# Allegro board FMDEMOD-before-back-annote.brd (continued)
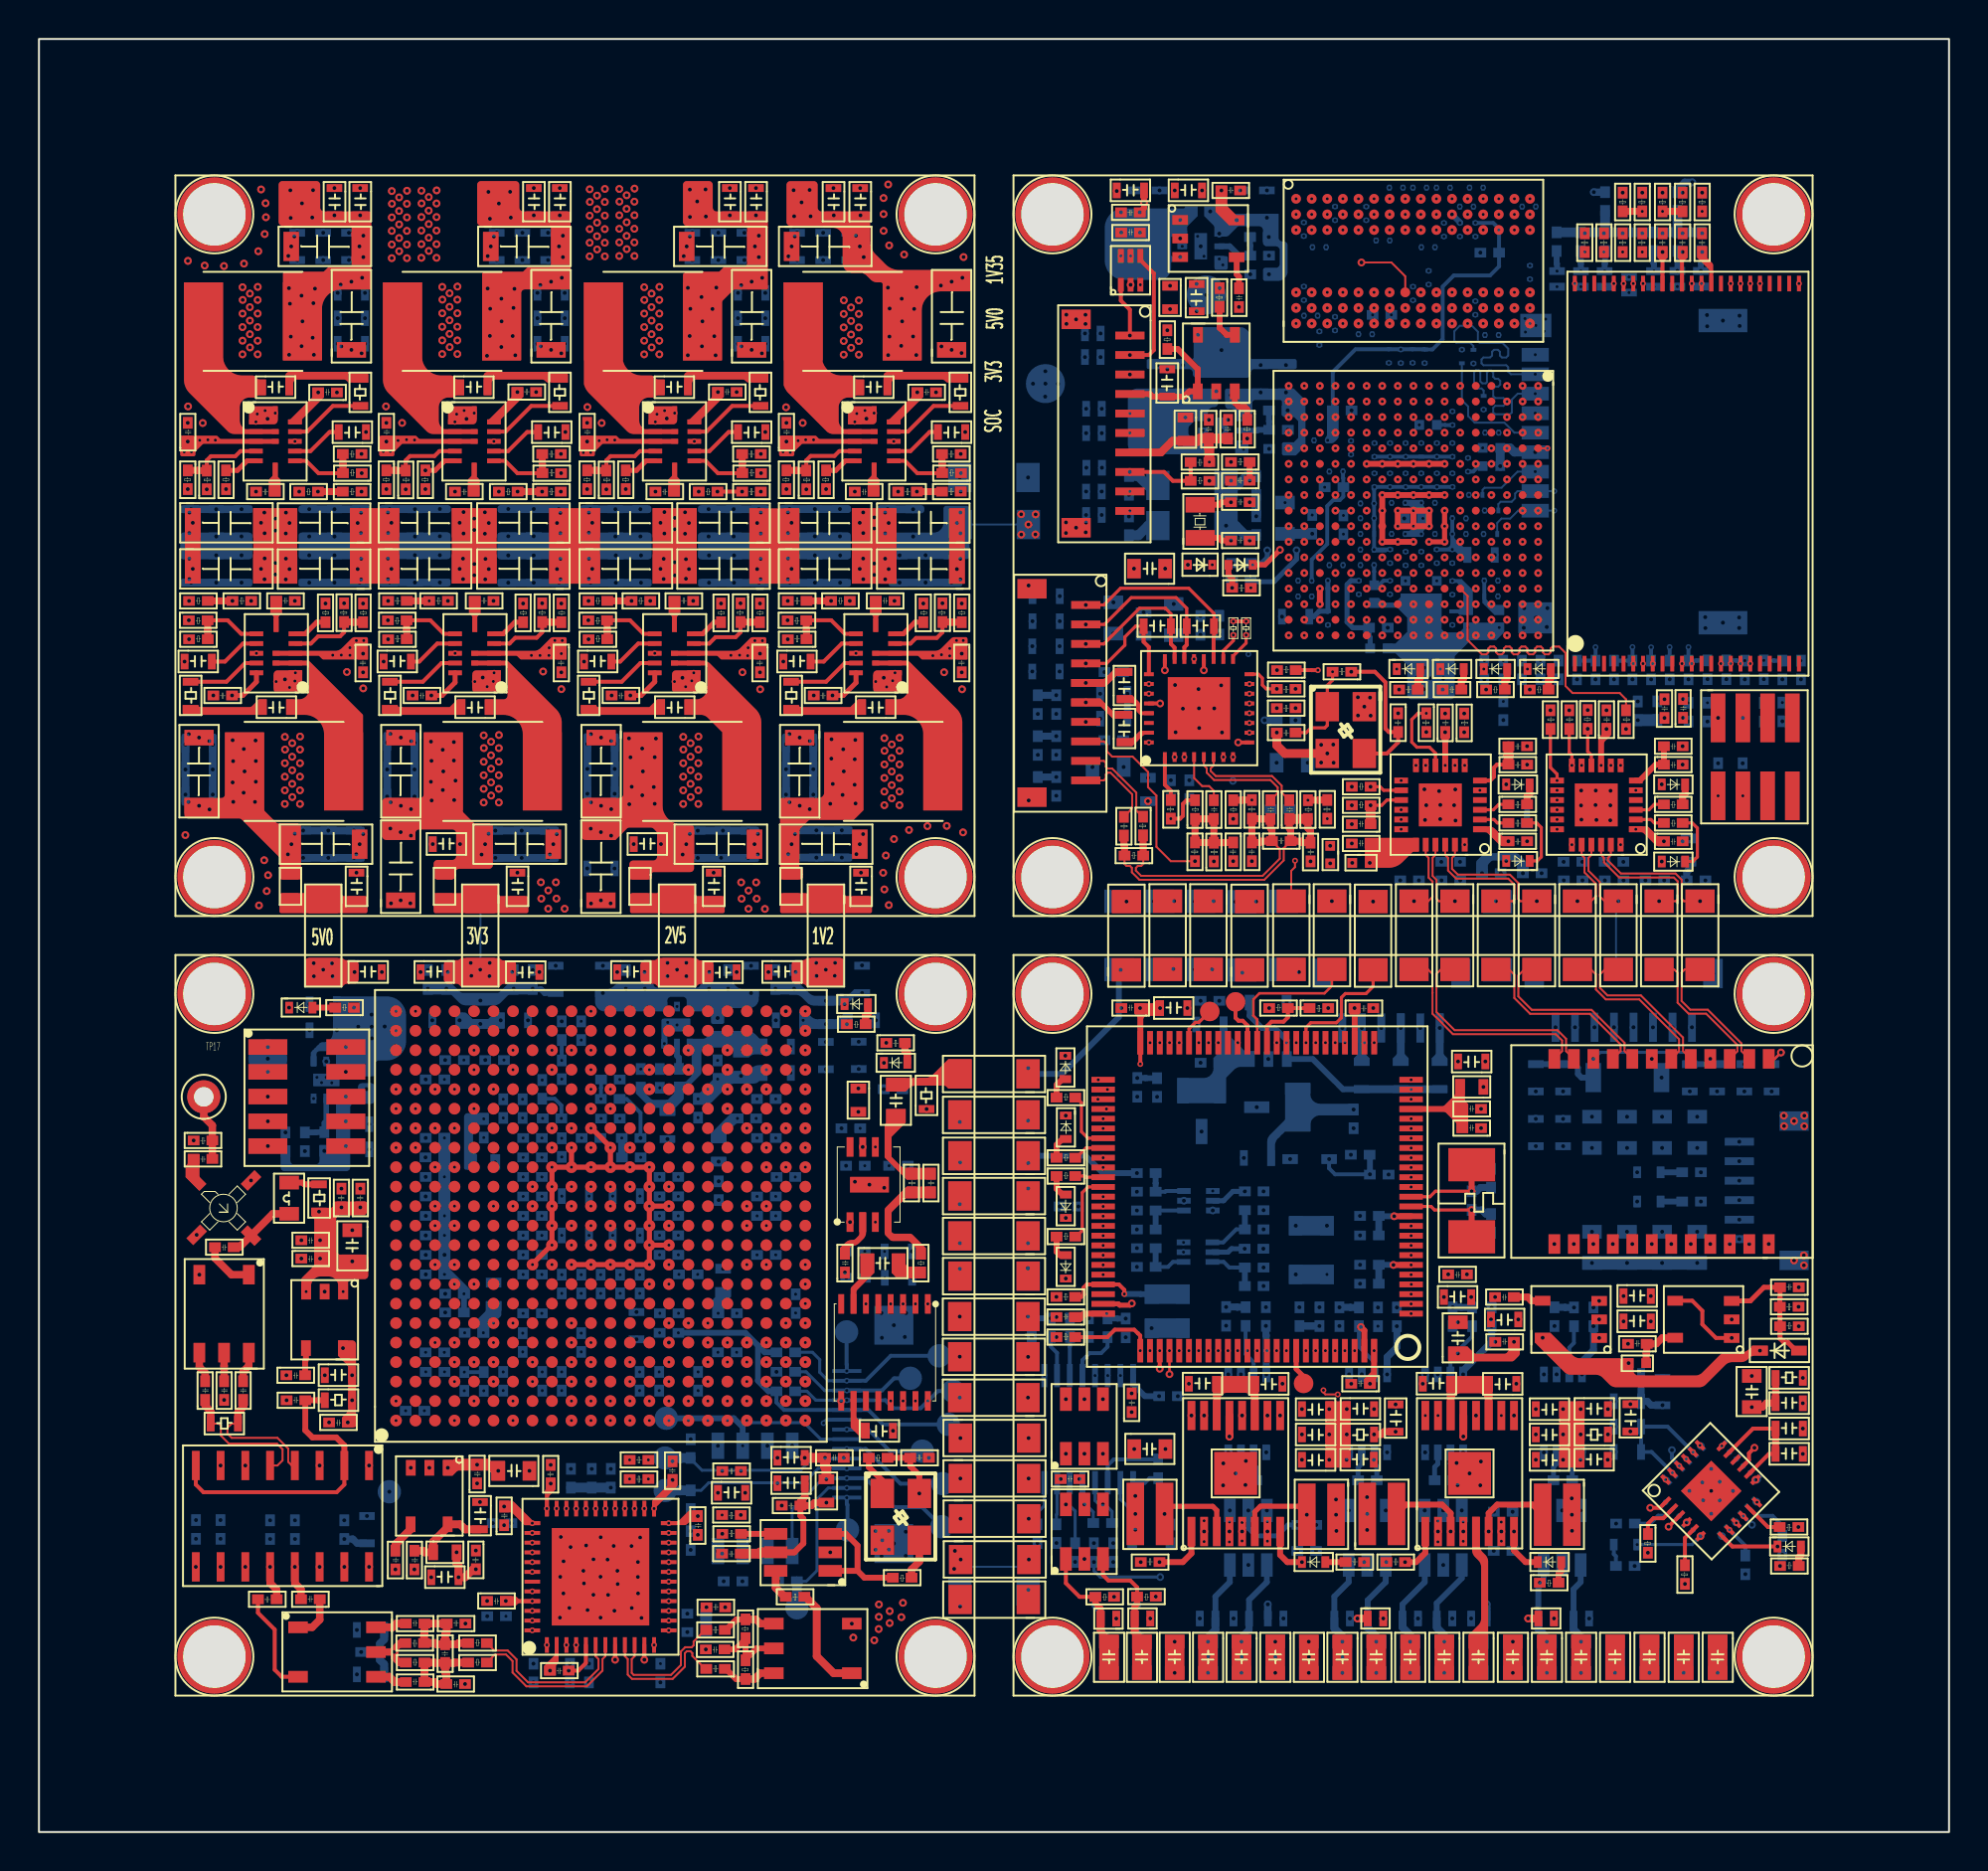
[diagram p0: board, top side]
## Nets (continued)
VDD_ARM_CAP: C52.1 C53.1 C57.1 C58.1 C5652.1 U19.G9 U19.G10 U19.G11 U19.H11
VDD_COIN_3V: D20.2 R50.1 UNK3VBATTERY1.1
VDD_HIGH_CAP: C71.1 C72.1 C79.1 C5655.1 U19.N6 U19.R14 U19.R15
VDD_HIGH_IN: C64.1 C65.1 L33.2 U19.N13
VDD_SNVS_3V3: C311.2 C312.2 D19.2 U46.5(\OUT\)
VDD_SNVS_IN: C67.1 D19.1(\CATHODE\) D20.1(\CATHODE\) R50.2 U19.P12
VDD_SOC_CAP: C60.1 C61.1 C62.1 C63.1 C502.1 C503.1 C504.1 C505.1 C5646.1 C5647.1 C5648.1 U19.G8 U19.H8 U19.J8 U19.J11 U19.K8 U19.K11 U19.L8 U19.L9 U19.L10 U19.L11
VDD_SOC_IN: C51.1 C54.1 C55.1 C5582.2 C5583.2 C5644.1 C5645.1 R4515.1 R4516.1 R4517.2 U19.H9 U19.H10 U19.J9 U19.J10 U19.K9 U19.K10 U633.1
VDD_SOC_IN_IN: C5580.2 C5581.2 R4515.2 TP23.1(\TP\) U633.4 U633.6
VDD_SOC_IN_PWR: C5291.1 C5301.2 C5311.2 C5321.2 C5331.2 C5567.2 C5568.2 C5569.2 C5570.2 C5571.2 C5572.2 L431.2 R4361.2
VDDA_ADC_3P3: C150.1 C152.1 L34.2 U19.L13 U19.M13
232_TXD: R312.2 R321.1 R395.2
A0: U19.L5 U20.N3
A1: U19.H2 U20.P7
A2: U19.K1 U20.P3
A3: U19.M2 U20.N2
A4: U19.K4 U20.P8
A5: U19.L1 U20.P2
A6: U19.G2 U20.R8
A7: U19.H4 U20.R2
A8: U19.J4 U20.T8
A9: U19.L2 U20.R3
A10: U19.M4 U20.L7
A11: U19.K3 U20.R7
A12: U19.L4 U20.N7
A13: U19.H3 U20.T3
A14: U19.G1 U20.T7
A15: U19.K5 U20.M7
A_DEMP: U42.13 U56.AA3
A_FMT: U42.15 U56.AA4
A_MUTE: U42.14 U56.AB3
AD0: U36.18 U56.Y2
AD1: U36.19 U56.Y1
AD2: U36.20 U56.W2
AD3: U36.21 U56.W1
AD4: U36.22 U56.V2
AD5: U36.26 U56.V1
AD6: U36.27 U56.U2
AD7: U36.28 U56.U1
AD8: U36.32 U56.R2
AD9: U36.33 U56.R1
AD10: U36.34 U56.P2
AD11: U36.35 U56.P1
AD12: U36.39 U56.N2
AD13: U36.40 U56.N1
AD14: U36.41 U56.M2
AD15: U36.42 U56.M1
AD_DITH: U36.17 U56.AA1
AD_PGA: U36.47 U56.R5
AD_RAND: U36.46 U56.R6
ADC_3V3: C203.2 C229.2 C230.2 C5606.2 C5607.2 C5608.2 C5609.2 C5610.2 C5611.2 L9.2 U36.1 U36.3 U36.4(\VDD#4\) U36.12 U36.13 U36.14
AIN+: R239.1 U36.6
AIN-: R240.1 U36.7
ARM_ONOFF: R131.2 R397.1 U19.R8
ASDO: J14.7 TP33.1(\TP\) U35.5 U56.D1
AUD_INT: U19.P9 U24.15
AUDIO_5V: C269.2 C270.2 C292.1 C298.2 C409.2 C410.1 C5640.2 L13.2 U42.6 U43.3 U43.6
AUDIO_OUT: R391.1 R392.1
BA0: U19.M1 U20.M2
BA1: U19.H1 U20.N8
BA2: U19.K2 U20.M3
BOOT0: R404.2 R405.2 U3.94
BOOT1: R406.1 R407.1 U3.37
BOOT_MODE0: R136.2 R409.2 U19.T10
BOOT_MODE1: R135.2 R410.2 U19.U10
CAS: U19.J2 U20.K3
CK0N: R70.1 U19.P2 U20.K7
CK0P: R70.2 U19.P1 U20.J7
CKE0: R52.2 U19.M3 U20.K9
CKE1: R51.2 U19.J3 U20.J9
CLK2FPGA: R251.2 U56.G1
CLK_3V3: C214.2 C215.2 C290.2 C291.2 L14.2 R254.2 U39.5(\VCC\) Y5.4(\VCC\)
CLK_AD+: R242.2 U56.T2
CLK_AD-: R241.2 U56.T1
CLKO+: R242.1 U36.30
CLKO-: R241.1 U36.29
CONF_DONE: J14.13 R231.1 TP39.1(\TP\) U56.M18
CPU_RST_FPGA: R208.1 U19.N17
CPU_RST_MCU: R213.2 U19.M15
CPU_UART1_RXD: U19.K16 U31.6
CPU_UART1_TXD: U19.K14 U31.3
CPU_UART2_RXD: R194.1 R217.2 R336.1
CPU_UART2_TXD: R192.1 R216.2 R335.1
CPU_UART3_RXD: R215.2 U19.H16
CPU_UART3_TXD: R214.2 U19.H17
CPU_UART4_RXD: R221.1 U19.G16
CPU_UART4_RXD_X: R197.1 R221.2 R340.1
CPU_UART4_TXD: R220.1 U19.G17
CPU_UART4_TXD_X: R198.1 R220.2 R339.1
CS0: U19.N2 U20.L2
CS1: U19.H5 U20.L1
D0: U19.T4 U20.E3
D1: U19.U6 U20.F7
D2: U19.T6 U20.F2
D3: U19.U7 U20.F8
D4: U19.U8 U20.H3
D5: U19.T8 U20.H8
D6: U19.T5 U20.G2
D7: U19.U4 U20.H7
D8: U19.U2 U20.D7
D9: U19.U3 U20.C3
D10: U19.U5 U20.C8
D11: U19.R4 U20.C2
D12: U19.P5 U20.A7
D13: U19.P3 U20.A2
D14: U19.R2 U20.B8
D15: U19.R1 U20.A3
DATA0: J14.9 R384.1 TP35.1(\TP\) U56.K1
DCDC_3V3: C116.2 C117.2 C118.2 C119.2 C120.2 C123.1 C153.1 C154.1 C174.1 J9.4 L5.1 L24.1 L25.1 L26.1 L28.1 L30.1 L31.1 L32.1 L33.1 L34.1 L35.1 R53.1 R54.1 R55.1 R56.1 R82.1 R83.1 R84.1 R85.1 R128.1 R129.1 R130.1 R131.1 R133.2 R135.1 R136.1 R140.1 R141.1 R150.1 R151.1 R152.1 R155.1 R158.1 R159.1 TP22.1(\TP\) U23.12 U23.34 U23.37 U23.39 U31.5(\VCC\)
DCDC_3V3_PWR: C5191.1 C5201.2 C5211.2 C5221.2 C5231.2 C5561.2 C5562.2 C5563.2 C5564.2 C5565.2 C5566.2 L421.2 R4271.2
DCDC_5V: C132.2 C158.1 C315.2 C316.2 L6.1 L17.1 L40.1 R157.1 R398.1 TP21.1(\TP\) U29.5 U46.1 U46.3
DCDC_5V_PWR: C3101.2 C3131.2 C3141.2 C3231.1 C3861.2 C5555.2 C5556.2 C5557.2 C5558.2 C5559.2 C5560.2 L181.2 R2711.2
DCLK: J14.8 TP34.1(\TP\) U35.6 U56.K2
DQM0: U19.T7 U20.E7
DQM1: U19.T3 U20.D3
DRAM_1V35: C73.1 C74.1 C75.1 C76.1 C77.1 C78.1 C94.1 C97.1 C98.1 C99.1 C100.1 C101.1 C102.1 C103.1 C104.1 C111.1 C112.1 C113.1 C114.1 C500.1 C501.1 C5576.2 C5577.2 C5649.1 C5650.1 C5651.1 R105.2 R4511.2 R4513.1 R4514.1 U19.G6 U19.H6 U19.J6 U19.K6 U19.L6 U19.M6 U20.A1 U20.A8 U20.B2 U20.C1 U20.C9 U20.D2 U20.D9 U20.E9 U20.F1 U20.G7 U20.H2 U20.H9 U20.K2 U20.K8 U20.N1 U20.N9 U20.R1 U20.R9 U632.1
DRAM_1V35_IN: C5578.2 C5579.2 R4514.2 TP24.1(\TP\) U632.4 U632.6
DRAM_1V35_PWR: C5391.1 C5401.2 C5411.2 C5421.2 C5431.2 C5573.2 C5574.2 C5575.2 L441.2 R4451.2
DRAM_VREF: C80.1 C94.2 C95.1 C96.1 C5656.1 C5657.1 R105.1 R114.2 U19.P4 U20.H1 U20.M8
E1R+: R327.2 T1.2
E1R-: R328.2 T1.3
E1T+: R329.2 T1.5
E1T-: R330.2 T1.6
E2R+: R331.2 T1.8
E2R-: R332.2 T1.9
E2T+: R333.2 T1.11
E2T-: R334.2 T1.12
ECSPI3_CS0: R216.1 U19.J17
ECSPI3_MISO: R219.1 U19.H14
ECSPI3_MOSI: R218.1 U19.J15
ECSPI3_SCLK: R217.1 U19.J16
ENC1_A: C454.1 C454.2 D4.2 U6.3
ENC1_A_BUF: U3.24 U6.4
ENC1_B: C453.1 C453.2 D3.2 U6.1
ENC1_B_BUF: U3.23 U6.6
ENC2_A: C475.1 C475.2 D9.2 U9.3
ENC2_A_BUF: U3.90 U9.4
ENC2_B: C476.1 C476.2 D8.2 U9.1
ENC2_B_BUF: U3.91 U9.6
ENC3_A: C469.1 C469.2 D12.2 U12.3
ENC3_A_BUF: U3.42 U12.4
ENC3_B: C470.1 C470.2 D11.2 U12.1
ENC3_B_BUF: U3.40 U12.6
ENC4_A: C462.1 C462.2 D17.2 U15.3
ENC4_A_BUF: U3.60 U15.4
ENC4_B: C463.1 C463.2 D16.2 U15.1
ENC4_B_BUF: U3.59 U15.6
ENC+: R238.2 U36.9
ENC-: R243.2 U36.10
ENET1_CRS_DV: U19.E16 U21.11
ENET1_LED1: R80.1 U21.3
ENET1_LED2: R81.1 U21.2
ENET1_NINT: R79.1 U19.N8 U21.14
ENET1_NRST: C93.1 R78.1 U19.N10 U21.15
ENET1_RX+: J8.8 T1.23
ENET1_RX-: J8.7 T1.22
ENET1_RXD0: U19.F16 U21.8
ENET1_RXD1: U19.E17 U21.7
ENET1_RXER: R89.2 U19.D15 U21.10
ENET1_RXN: R76.1 R328.1 U21.22
ENET1_RXP: R75.1 R327.1 U21.23
ENET1_TX+: J8.6 T1.20
ENET1_TX-: J8.5 T1.19
ENET1_TX_CLK: R94.2 U19.F14
ENET1_TXD0: U19.E15 U21.17
ENET1_TXD1: U19.E14 U21.18
ENET1_TXEN: U19.F15 U21.16
ENET1_TXN: R74.1 R330.1 U21.20
ENET1_TXP: R73.1 R329.1 U21.21
ENET2_CRS_DV: U19.B17 U22.11
ENET2_LED1: R115.1 U22.3
ENET2_LED2: R117.1 U22.2
ENET2_NINT: R108.1 U19.N11 U22.14
ENET2_NRST: C110.1 R107.1 U19.N9 U22.15
ENET2_RX+: J8.4 T1.17
ENET2_RX-: J8.3 T1.16
ENET2_RXD0: U19.C17 U22.8
ENET2_RXD1: U19.C16 U22.7
ENET2_RXER: R125.1 U19.D16 U22.10
ENET2_RXN: R102.1 R332.1 U22.22
ENET2_RXP: R101.1 R331.1 U22.23
ENET2_TX+: J8.2 T1.14
ENET2_TX-: J8.1 T1.13
ENET2_TX_CLK: R127.2 U19.D17
ENET2_TXD0: U19.A15 U22.17
ENET2_TXD1: U19.A16 U22.18
ENET2_TXEN: U19.B15 U22.16
ENET2_TXN: R100.1 R334.1 U22.20
ENET2_TXP: R99.1 R333.1 U22.21
ENET_MDC: R71.1 U19.L16 U21.13 U22.13
ENET_MDIO: R72.1 U19.K17 U21.12 U22.12
FPGA_RST_CPU: R210.2 U56.AB7
FPGA_RST_MCU: R212.2 U56.AB9
FPGA_SPI2_CS: R227.2 U56.AA15
FPGA_SPI2_MISO: R225.2 U56.AB14
FPGA_SPI2_MOSI: R224.2 U56.AA14
FPGA_SPI2_SCLK: R226.2 U56.AB15
FPGA_SPI_CS: R335.2 U56.AB16
FPGA_SPI_MISO: R338.2 U56.AA16
FPGA_SPI_MOSI: R337.2 U56.AA17
FPGA_SPI_SCLK: R336.2 U56.AB17
FPGA_UART2_RXD: R223.2 U56.V5
FPGA_UART2_TXD: R222.2 U56.V4
FPGA_UART_RXD: R339.2 U56.AB18
FPGA_UART_TXD: R340.2 U56.Y3
GPIO1_IO1: D23.1(\CATHODE\) U19.L15
GPIO1_IO2: D21.1(\CATHODE\) U19.L14
GPIO1_IO3: D22.1(\CATHODE\) U19.L17
GPIO1_IO4: D24.1(\CATHODE\) U19.M16
HP_L: C192.1 U24.31
HP_R: C190.1 U24.29
HPD: R134.1 R138.1 U24.7
I2C2_SCL: R140.2 U19.F17 U24.17
I2C2_SDA: R141.2 U19.G13 U24.18
I2S_BCK: U42.1 U56.Y4
I2S_DATA: U42.2 U56.AB5
I2S_LRCK: U42.3 U56.AA5
I2S_SCK: U42.16 U56.AB4
IO2: J18.2 U56.A18
IO3: J18.3 U56.A17
IO4: J18.4 U56.A16
IO5: J18.5 U56.A15
IO6: J18.6 U56.B15
IO7: J18.7 U56.B16
IO8: J18.8 U56.B17
IO9: J18.9 U56.B18
LASER_TXD: R313.2 R319.1 R394.2
LCD_DATA0: R85.2 R86.2 U19.B9
LCD_DATA1: R84.2 R91.2 U19.A9
LCD_DATA2: R92.2 U19.E10
LCD_DATA3: R93.2 U19.D10
LCD_DATA4: R95.2 U19.C10
LCD_DATA5: R60.1 R96.2 U19.B10
LCD_DATA6: R62.1 R97.2 U19.A10
LCD_DATA7: R57.1 R98.2 U19.D11
LCD_DATA8: R103.2 U19.B11
LCD_DATA9: R104.2 U19.A11
LCD_DATA10: R106.2 U19.E12
LCD_DATA11: R64.1 R109.2 U19.D12
LCD_DATA12: R110.2 U19.C12
LCD_DATA13: R83.2 R111.2 U19.B12
LCD_DATA14: R82.2 R112.2 U19.A12
LCD_DATA15: R113.2 U19.D13
LCD_DATA16: R116.2 U19.C13
LCD_DATA17: R118.2 U19.B13
LCD_DATA18: R119.2 U19.A13
LCD_DATA19: R120.2 U19.D14
LCD_DATA20: R121.2 U19.C14
LCD_DATA21: R122.2 U19.B14
LCD_DATA22: R123.2 U19.A14
LCD_DATA23: R124.2 U19.B16
LDO_3V3: C233.2 C234.2 L9.1 U40.5(\OUT\)
LED1: R255.1 U56.AB20
LED2: R256.1 U56.AB19
LED3: R399.1 U56.B22
LIMIT_SW1: U3.80 U54.4
LIMIT_SW2: U3.77 U54.6
LIMIT_SW3: U3.67 U55.4
LIMIT_SW4: U3.70 U55.6
M1_DRV+: C450.1 C450.2 U7.2
M1_DRV-: C451.1 C451.2 U7.4
M1_I_ADC: C30.1 R30.2 U3.17
M1_PWM+: U3.64 U7.10
M1_PWM-: U3.35 U7.9
M2_DRV+: C474.1 C474.2 U7.7
M2_DRV-: C478.1 C478.2 U7.5
M2_I_ADC: C32.1 R31.2 U3.16
M2_PWM+: U3.65 U7.16
M2_PWM-: U3.36 U7.15
M3_DRV+: C468.1 C468.2 U14.2
M3_DRV-: C472.1 C472.2 U14.4
M3_I_ADC: C47.1 R44.2 U3.15
M3_PWM+: U3.44 U14.16
M3_PWM-: U3.43 U14.15
M4_DRV+: C465.1 C465.2 U14.7
M4_DRV-: C466.1 C466.2 U14.5
M4_I_ADC: C48.1 R45.2 U3.18
M4_PWM+: U3.63 U14.9
M4_PWM-: U3.32 U14.10
MCU_LED1: R400.1 U3.58
MCU_LED2: R401.1 U3.57
MCU_LED3: R402.1 U3.62
MCU_LED4: R403.1 U3.61
MCU_RST_CPU: R13.1 R210.1 R211.1 U3.33
MCU_RST_FPGA: R12.1 R209.1 U3.66
MCU_SPI2_MISO: R225.1 U3.53
MCU_SPI2_MOSI: R224.1 U3.54
MCU_SPI2_NSS: R227.1 U3.51
MCU_SPI2_SCK: R226.1 U3.52
MCU_UART1_RXD: R214.1 U3.69
MCU_UART1_TXD: R215.1 U3.68
MCU_UART3_RXD: R188.1 U3.56
MCU_UART3_TXD: R189.1 U3.55
MCU_UART4_RXD: R201.1 R222.1 U3.79
MCU_UART4_TXD: R199.1 R223.1 U3.78
MIC1_IN: J13.8 R183.2 R392.2
MIC1P: C175.2 U24.4
MIC2N: C188.2 U24.5
MIC2N_IN: J13.9 R325.1
MIC2N_IN2: C182.2 C188.1 C189.1 R193.2 R324.1 R325.2
MIC2P: C179.2 U24.6
MIC2P_IN: J13.10 R326.2
MIC2P_IN2: C177.2 C179.1 C182.1 R187.1 R324.2 R326.1
MICBIAS: R185.1 U24.1
MSEL0: R376.2 R377.1 U56.M17
MSEL1: R378.1 R379.2 U56.L18
MSEL2: R380.1 R381.2 U56.L17
MSEL3: R382.1 R383.2 U56.K20
NAND_ALE: U19.B4 U23.17
NAND_CLE: U19.A4 U23.16
NAND_D0: U19.D7 U23.29
NAND_D1: U19.B7 U23.30
NAND_D2: U19.A7 U23.31
NAND_D3: U19.D6 U23.32
NAND_D4: U19.C6 U23.41
NAND_D5: U19.B6 U23.42
NAND_D6: U19.A6 U23.43
NAND_D7: U19.A5 U23.44
NAND_DQS: U19.E6 U23.35
NAND_NCE0: R128.2 U19.C5 U23.9
NAND_NRDY: R129.2 U19.A3 U23.7
NAND_NRE: U19.D8 U23.8
NAND_NWE: U19.C8 U23.18
NAND_NWP: R130.2 U19.D5 U23.19(\W\\P\\\)
NCE: J14.10 R232.1 TP36.1(\TP\) U56.L3
NCONFIG: J14.11 R230.1 TP37.1(\TP\) U56.K5
NCSO: J14.12 TP38.1(\TP\) U35.1 U56.E2
NFAULT12: D5.1(\CATHODE\) U3.87 U7.8
NFAULT34: D13.1(\CATHODE\) U3.89 U14.8
NRST_CPU: C129.1 R133.1 R211.2 U19.P8(\P\\O\\R\\\)
NRST_FPGA: R209.2 R341.2 U56.AB8
NRST_MCU: C5.2 D1.2(\K\) R9.2 R212.1 R213.1 U3.14
NSLEEP12: R26.1 U3.71 U7.1
NSLEEP34: R40.1 U3.88 U14.1
NSTATUS: R375.2 U56.K6
NVCC_CSI: C121.1 L24.2 U19.F4
NVCC_ENET: C56.1 C5654.1 L28.2 U19.F13
NVCC_GPIO: C66.1 L30.2 U19.J13
NVCC_LCD: C59.1 C5653.1 L32.2 U19.E13
NVCC_NAND: C115.2 L26.2 U19.E7
NVCC_SD: C149.1 L25.2 U19.C4
NVCC_UART: C139.1 L31.2 U19.H13
ODT0: U19.N1 U20.K1
ODT1: U19.F1 U20.J1
OSCIN: C1.2 R2.1 U3.12 Y1.2
OSCOUT: C2.2 R2.2 U3.13 Y1.1
PHY1_3V3: C91.1 C92.1 L3.2 R73.2 R74.2 R75.2 R76.2 U21.1 U21.19
PHY2_3V3: C108.1 C109.1 L4.2 R99.2 R100.2 R101.2 R102.2 U22.1 U22.19
PHY_UART_RX1: R311.2 R323.1 R396.2
PMIC_ON_REQ: R4501.2 U19.T9
POWER_GOOD: R4301.1 R4502.1 R4503.2 R4504.1 R4505.2 U611.5 U621.9 U631.9
PT100-1: J1.2 R3.2 U3.29
PT100-2: J1.4 R4.2 U3.30
PT100-3: J1.6 R5.2 U3.31
RAS: U19.M5 U20.J3
RSSI: C400.1 TP43.1(\TP\) U57.16
RST_B: R58.2 U19.G4 U20.T2
SAI2_BCLK: U19.N16 U24.12
SAI2_MCLK: U19.P14 U24.11
SAI2_RXD: R137.1 U19.M14 U24.16
SAI2_SYNC: U19.N15 U24.13
SAI2_TXD: U19.N14 U24.14
SD1_CD: D29.1 J9.9 R159.2 U19.J14
SD1_CLK: R165.1 U19.C1
SD1_CMD: R162.1 U19.C2
SD1_DATA0: R168.1 U19.B3
SD1_DATA1: R169.1 U19.B2
SD1_DATA2: R160.1 U19.B1
SD1_DATA3: R161.1 U19.A2
SDQS0N: C84.2 U19.P7 U20.G3
SDQS0P: C84.1 U19.P6 U20.F3
SDQS1N: C86.2 U19.T2 U20.B7
SDQS1P: C86.1 U19.T1 U20.C7
SDWE: U19.J1 U20.L3
SMTR1_ADEC: U3.86 U8.19
SMTR1_DEC0: U3.97 U8.22
SMTR1_DEC1: U3.95 U8.24
SMTR1_DIR: U3.85 U8.13
SMTR1_I0: U3.93 U8.20
SMTR1_I1: U3.98 U8.21
SMTR1_M0: U3.82 U8.8
SMTR1_M1: U3.83 U8.9
SMTR1_NFAULT: D6.1(\CATHODE\) U3.81 U8.7
SMTR1_NSLEEP: U3.96 U8.23
SMTR1_PWM: U3.25 U8.12
SMTR1_TOFF_SEL: U3.84 U8.10
SMTR2_ADEC: U3.48 U13.19
SMTR2_DEC0: U3.7 U13.22
SMTR2_DEC1: U3.4 U13.24
SMTR2_DIR: U3.47 U13.13
SMTR2_I0: U3.9 U13.20
SMTR2_I1: U3.8 U13.21
SMTR2_M0: U3.1 U13.8
SMTR2_M1: U3.2 U13.9
SMTR2_NFAULT: D14.1(\CATHODE\) U3.46 U13.7
SMTR2_NSLEEP: U3.5 U13.23
SMTR2_PWM: U3.26 U13.12
SMTR2_TOFF_SEL: U3.3 U13.10
SPK_LN: C187.2 C191.2 J13.3 U24.23
SPK_LP: C186.2 C191.1 J13.4 U24.25
SPK_RN: C193.2 C196.1 J13.1 U24.19
SPK_RP: C193.1 C197.1 J13.2 U24.22
STEP1A_DRV1: C446.1 C446.2 U8.1
STEP1A_DRV2: C447.1 C447.2 U8.3
STEP1B_DRV1: C448.1 C448.2 U8.6
STEP1B_DRV2: C449.1 C449.2 U8.4
STEP2A_DRV1: C442.1 C442.2 U13.1
STEP2A_DRV2: C443.1 C443.2 U13.3
STEP2B_DRV1: C444.1 C444.2 U13.6
STEP2B_DRV2: C445.1 C445.2 U13.4
SWCLK: C496.1 C496.2 R10.1 U3.76
SWDIO: C497.1 C497.2 R11.1 U3.72
TCK: J14.3 R247.2 TP30.1(\TP\) U56.L2
TDI: J14.4 R248.2 TP31.1(\TP\) U56.L5
TDO: J14.1 TP28.1(\TP\) U56.L4
TMS: J14.2 R250.2 TP29.1(\TP\) U56.L1
TTL_TXD: R314.2 R316.1 R393.2
USB_OTG1_DN: D45.1 J17.9 U19.T15
USB_OTG1_DP: D46.1 J17.10 U19.U15
USB_OTG1_ID: D44.1 J17.8 R180.1 R181.2 U19.K13
USB_OTG1_VBUS: C145.2 C166.2 C167.2 J17.7 L40.2 R180.2 U19.T12
USB_OTG2_DN: D42.2 J17.5 U19.T13
USB_OTG2_DP: D43.2 J17.6 U19.U13
USB_OTG2_VBUS: C148.2 L17.2 U19.U12
USB_VBUS: C162.1 J17.4 R398.2 U29.1(\OUT\)
VCOM: C206.1 C440.1 C5588.1 C5589.1 R233.1 R234.2 T4.4 U36.2
VDPL1: C278.2 L443.1 U56.U6
VDPL2: C279.2 L444.1 U56.E17
VDPL3: C277.2 L442.1 U56.F6
VDPL4: C280.2 L15.1 U56.V17
VENET_3V3: C90.1 C107.1 D25.2 D26.2 D27.2 D28.2 L3.1 L4.1 L35.2 R71.2 R72.2 R78.2 R79.2 R107.2 R108.2 R125.2 U21.9 U22.9
VMTR1: C23.1 C24.1 C25.1 C26.1 C489.1 R18.2 U7.12
VMTR2: C40.1 C41.1 C42.1 C43.1 C488.1 R33.2 U14.12
VREF_2V5: C6.2 R8.2 U3.21 U4.1 U4.2(\REF\)
VSMTR1: C19.1 C20.1 R19.1 U8.15
VSMTR2: C35.1 C36.1 R32.1 U13.15
XTALI: C122.2 R132.1 U19.T16 Y2.3
XTALO: C128.2 R132.2 U19.T17 Y2.1
ZQ0: R87.1 U20.L8(\ZQ\)
ZQ1: R88.1 U20.L9
ZQPAD: R59.2 U19.N4
N01539: C21.2 C22.2 U7.11(\VREF\) U7.14
N02684: R21.2 U7.3 U11.4
N02906: R23.2 U7.6 U10.4
N04940: D5.2 R27.2
N07800: R24.1 U10.2
N07815: R24.2 U10.3
N08892: R25.1 U11.2
N08904: R25.2 U11.3
N10404: R30.1 U11.7(\VOUT\)
N11136: R31.1 U10.7(\VOUT\)
N27735: C37.2 C39.2 U14.11(\VREF\) U14.14
N27979: R35.2 U14.3 U17.4
N28117: R37.2 U14.6 U16.4
N28299: R38.1 U16.2
N28303: R38.2 U16.3
N28307: R39.1 U17.2
N28311: R39.2 U17.3
N28637: D13.2 R41.2
N28731: R45.1 U16.7(\VOUT\)
N28759: R44.1 U17.7(\VOUT\)
N30927: R20.1 U8.2
N30933: R22.1 U8.5
N33222: C18.1 C27.1 U8.14(\VREF\) U8.17
N38076: R28.1 U8.11
N39890: D6.2 R29.1
N41862: C34.1 C38.1 U13.14(\VREF\) U13.17
N42130: R34.1 U13.2
N42224: R36.1 U13.5
N42300: R42.1 U13.11
N42416: D14.2 R43.1
N50111: C50.2 D18.1 R46.2 R47.1 U18.3
N52095: C49.1 L2.1 U18.5
N57048: C3.2 R1.2 U1.3 U2.1 U2.2(\REF\)
N57288: R3.1 R4.1 R5.1 U1.1 U1.4
N4007879: C68.1 U19.N12
N4008796: C69.1 C70.1 U19.P13
N4087915: C140.2 U19.T11 Y3.2
N4087935: C141.2 U19.U11 Y3.1
N4129499: D22.2 R55.2
N4198004: C146.2 C147.2 U19.R12
N4201231: C135.1 U24.3
N4201841: C138.1 U24.2
N4206925: R139.1 U19.P15
N4209990: R90.2 U21.24
N4216158: D25.1(\CATHODE\) R80.2
N4216162: D26.1(\CATHODE\) R81.2
N4216453: C88.1 C89.1 U21.6
N4219956: R94.1 U21.5
N4226540: D27.1(\CATHODE\) R115.2
N4226544: D28.1(\CATHODE\) R117.2
N4226630: C105.1 C106.1 U22.6
N4226754: R126.2 U22.24
N4226762: R127.1 U22.5
N4244964: C82.2 T1.1
N4245046: C87.2 T1.10
N4245050: C83.2 T1.4
N4245054: C85.2 T1.7
N4254817: R67.1 T1.24
N4254839: R68.1 T1.21
N4254858: R69.1 T1.18
N4255061: R77.1 T1.15
N4255753: C81.1 R67.2 R68.2 R69.2 R77.2
N4905822: C7.2 U5.4
N4949904: D24.2 R56.2
N4950154: D23.2 R53.2
N4950158: D21.2 R54.2
N4962302: R157.2 U29.4
N4962318: R164.1 U29.3
N4966591: C183.1 R186.1 R187.2
N4966598: C183.2 R193.1 R200.2
N4966923: R182.2 R185.2 R186.2
N4969505: C127.1 C131.1 U24.27(\VMID\)
N4971120: C175.1 C176.1 R182.1 R183.1 R184.2
N4987405: C456.1 C456.2 D54.2 R15.1 U54.3
N4987412: C457.1 C457.2 D53.2 R14.1 U54.1
N6029558: C458.1 C458.2 D51.2 R16.1 U55.3
N6029565: C459.1 C459.2 D52.2 R17.1 U55.1
N6357472: C192.2 C195.1 J13.6 R203.1
N6357497: C190.2 C198.1 J13.5 R204.1
N7057664: J7.1 R61.1
N7057668: J7.2 R63.1
N7060478: J7.7 R62.2 R64.2
N7060523: J7.8 R57.2 R60.2
N7084975: D34.1 J9.1 R150.2 R160.2
N7085009: D33.1 J9.2 R151.2 R161.2
N7085027: D32.1 J9.3 R152.2 R162.2
N7085069: D35.1 J9.5 R165.2
N7085119: D31.1 J9.7 R155.2 R168.2
N7085137: D30.1 J9.8 R158.2 R169.2
N7099288: D48.1 J17.1 U31.1
N7119824: C180.1 U32.1
N7119928: C184.1 U32.4
N7119940: C181.1 U32.2
N7119964: C180.2 U32.3
N7119992: C185.1 U32.6
N7120000: C184.2 U32.5
N7120004: R189.2 R192.2 U33.3
N7132397: R311.1 U32.14
N7132401: R312.1 U32.7
N7132405: R313.1 U32.13
N7132409: R314.1 U32.8
N7132815: R316.2 R317.2 U34.3
N7132819: R318.2 R319.2 U34.1
N7301618: R188.2 R194.2 U34.4
N7301681: R198.2 R199.2 U33.1
N7301693: R197.2 R201.2 U34.6
N7303091: R320.1 U32.11
N7303129: R322.1 U32.10
N7303150: R317.1 U32.12
N7303177: R318.1 U32.9
N7304159: R320.2 R321.2 U33.4
N7304177: R322.2 R323.2 U33.6
N7355971: R218.2 R337.1
N7356015: R219.2 R338.1
N7356169: R208.2 R341.1
N7362382: D55.2 R342.1
N7362412: D56.2 R343.1
N7424382: C287.1 R260.1 R261.2 U43.4
N7424390: C287.2 C293.1 R260.2 U43.5
N7424630: C293.2 R262.2 R391.2
N7424650: C294.2 U42.10
N7424654: C296.1 U42.7
N7424662: C296.2 R261.1
N7424742: C295.2 U43.2
N7454523: R384.2 U35.2
N7455499: D49.2 R255.2
N7455557: D50.2 R256.2
N7467286: C395.2 R374.2 U56.E4
N7498655: C248.2 U40.4
N7538451: R228.1 U56.L22
N7578107: C213.2 R252.2 TP17.1(\TP\)
N7578654: A1.1 C213.1
N7578935: A1.3(\OUT\) C209.2 L7.1
N7579108: L7.2 R246.1
N7579398: C209.1 T2.1
N7579484: C396.2 T2.4
N7579488: C398.2 T2.3
N7579492: C397.2 T2.5
N7579615: C397.1 R385.2 U57.4
N7579629: C398.1 R385.1 U57.5
N7580116: C399.1 R386.1 U57.2 U57.8
N7580344: R387.2 U57.9
N7580738: C400.2 U57.10
N7580852: C401.1 R388.1 U57.15(\VPS2\)
N7581076: C402.2 R389.1 U57.13
N7581083: C403.2 R390.1 U57.12
N7581207: C402.1 T4.1
N7581229: C403.1 T4.2
N7581273: C208.2 T4.5
N7581277: C207.2 T4.3
N7581373: C202.1 C204.2 C207.1 R234.1 R240.2
N7581387: C204.1 C205.2 C208.1 R233.2 R239.2
N7586253: R254.1 Y5.1
N7586496: R253.2 Y5.3
N7586806: R253.1 U39.1 U39.3
N7587007: R251.1 U39.4
N7587454: R249.1 U39.6
N7587591: R249.2 T3.1
N7587990: C210.2 R244.1 R245.2 T3.4
N7588005: R238.1 R244.2 T3.5
N7588017: R243.1 R245.1 T3.3
N7598294: C408.2 U58.4
N7767499: R397.2 U3.38
N7869909: D47.1 J17.2 U31.4
N7921484: D57.2 R399.2
N7936310: D58.2 R400.2
N7936621: D59.2 R401.2
N7936920: D60.2 R402.2
N7937230: D61.2 R403.2
N8000282: TP18.1(\TP\) U3.92
N8000304: TP19.1(\TP\) U3.45
N8000357: TP20.1(\TP\) U3.39
N8015227: R66.1 R409.1
N8015335: R408.1 R410.1
N8184194: R2701.1 R4121.2 U591.4
N8184251: R4131.1 R4141.2 U591.9
N8184327: C5061.2 R4151.2 U591.11
N8184405: R4151.1 U591.5
N8184729: C5071.2 U591.6
N8185005: R2681.1 U591.10
N8185024: C3061.1 L181.1 U591.2 U591.13
N8185070: C3061.2 R2681.2
N8185163: C3231.2 U591.8
N8185326: R2711.1 R2761.2 U591.7
N8189530: R4231.1 U611.10
N8189538: C5161.2 R4231.2
N8189634: C5161.1 L421.1 U611.2 U611.13
N8189912: R4241.1 R4281.2 U611.4
N8189916: R4251.1 R4291.2 R4501.1 U611.9
N8189928: C5191.2 U611.8
N8189952: R4271.1 R4311.2 U611.7
N8190068: C5241.2 R4301.2 U611.11
N8190080: C5251.2 U611.6
N8193321: R4321.1 U621.10
N8193329: C5261.2 R4321.2
N8193425: C5261.1 L431.1 U621.2 U621.13
N8193703: R4331.1 R4371.2 U621.4
N8193719: C5291.2 U621.8
N8193743: R4361.1 R4401.2 U621.7
N8193859: C5341.2 R4391.2 U621.11
N8193871: C5351.2 U621.6
N8193943: R4391.1 U621.5
N8195603: R4411.1 U631.10
N8195611: C5361.2 R4411.2
N8195707: C5361.1 L441.1 U631.2 U631.13
N8195985: R4421.1 R4461.2 U631.4
N8196001: C5391.2 U631.8
N8196025: R4451.1 R4491.2 U631.7
N8196141: C5441.2 R4481.2 U631.11
N8196153: C5451.2 U631.6
N8196225: R4481.1 U631.5
N8196940: R270.1 R412.2 U59.4
N8196944: R413.1 R414.2 U59.9
N8196950: C506.2 R415.2 U59.11
N8196956: R415.1 U59.5
N8196998: C507.2 U59.6
N8197004: R268.1 U59.10
N8197008: C306.1 L18.1 U59.2 U59.13
N8197018: C306.2 R268.2
N8197022: C323.2 U59.8
N8197032: R271.1 R276.2 U59.7
N8197074: R423.1 U61.10
N8197078: C516.2 R423.2
N8197098: C516.1 L42.1 U61.2 U61.13
N8197146: R424.1 R428.2 U61.4
N8197148: R425.1 R429.2 U61.9
N8197154: C519.2 U61.8
N8197166: R427.1 R431.2 U61.7
N8197176: C524.2 R430.2 U61.11
N8197182: C525.2 U61.6
N8197194: R430.1 U61.5
N8197218: R432.1 U62.10
N8197222: C526.2 R432.2
N8197242: C526.1 L43.1 U62.2 U62.13
N8197290: R433.1 R437.2 U62.4
N8197292: R434.1 R438.2 U62.9
N8197298: C529.2 U62.8
N8197310: R436.1 R440.2 U62.7
N8197320: C534.2 R439.2 U62.11
N8197326: C535.2 U62.6
N8197338: R439.1 U62.5
N8197362: R441.1 U63.10
N8197366: C536.2 R441.2
N8197386: C536.1 L44.1 U63.2 U63.13
N8197434: R442.1 R446.2 U63.4
N8197436: R443.1 R447.2 U63.9
N8197442: C539.2 U63.8
N8197454: R445.1 R449.2 U63.7
N8197464: C544.2 R448.2 U63.11
N8197470: C545.2 U63.6
N8197482: R448.1 U63.5
N8200614: C5504.2 L36.2 R354.1
N8200858: C5505.2 L37.2 R426.1
N8201027: C5519.2 L38.2 R435.1
N8201165: C5526.2 L39.2 R444.1
N8206279: C322.2 U46.4
N8420934: R4511.1 R4512.2 U632.2
N8425431: R4513.2 U632.5(\PG\)
N8429190: R4516.2 U633.5(\PG\)
N8429316: R4517.1 R4518.2 U633.2
N8449814: R4520.2 U634.5(\PG\)
N8449940: R4521.1 R4522.2 U634.2
N8561901: R4524.2 U635.5(\PG\)
N8561999: R4525.1 R4526.2 U635.2

Pads without a net: J7 3 4 5 6; U3 41 73; U8 16; U13 16; U19 A8 B5 B8 C9 D1 D2 D3 D4 D9 E1 E2 E3 E4 E5 E9 F2 F3 F5 G14 H15 K15 M17 P10 P11 P16 P17 R6 R9 R10 R13 U9 U16; U21 4; U22 4; U23 1 2 3 4 5 6 10 11 14 15 20 21 22 23 24 26 27 28 33 38 40 45 46 47; U24 30; U36 43; U42 5 8 11 12; U43 8; U56 A3 A4 A5 A6 A7 A8 A9 A10 A11 A12 A13 A14 A19 A20 AA7 AA8 AA9 AA10 AA11 AA12 AA13 AA18 AA19 AA20 AA21 AB10 AB11 AB12 AB13 B1 B2 B3 B4 B5 B6 B7 B8 B9 B10 B11 B12 B13 B14 B19 B20 B21 C1 C2 C3 C4 C6 C7 C8 C10 C13 C15 C17 C19 C20 C21 C22 D2 D6 D7 D10 D13 D15 D17 D19 D20 D21 D22 E1 E3 E5 E6 E7 E9 E10 E11 E12 E13 E14 E15 E16 E21 E22 F1 F2 F7 F8 F9 F10 F11 F13 F14 F15 F16 F17 F19 F20 F21 F22 G3 G4 G5 G7 G8 G9 G10 G11 G13 G14 G15 G16 G17 G18 G21 G22 H1 H2 H5 H6 H7 H8 H10 H11 H14 H15 H16 H17 H18 H19 H20 H21 H22 J1 J2 J3 J4 J5 J6 J7 J8 J17 J18 J21 J22 K7 K8 K17 K18 K19 K21 K22 L6 L7 L8 L21 M3 M4 M5 M6 M7 M8 M16 M19 M20 M21 M22 N5 N6 N7 N8 N16 N17 N18 N19 N20 N21 N22 P3 P4 P5 P6 P7 P15 P16 P17 P20 P21 P22 R7 R14 R15 R16 R17 R18 R19 R20 R21 R22 T3 T4 T5 T7 T8 T9 T10 T11 T12 T13 T14 T15 T16 T17 T18 T21 T22 U7 U8 U9 U10 U11 U12 U13 U14 U15 U16 U17 U19 U20 U21 U22 V3 V6 V7 V8 V9 V10 V11 V12 V13 V14 V15 V16 V21 V22 W6 W7 W8 W10 W13 W14 W15 W17 W19 W20 W21 W22 Y6 Y7 Y8 Y10 Y13 Y17 Y21 Y22

## Via types
v1: diameter 0.3, hole 0.15, TOP to PWR-L6, 212 vias
v2: diameter 0.3, hole 0.15, PWR-L6 to BOTTOM, 166 vias
v3: diameter 0.4, hole 0.2, TOP to PWR-L6, 442 vias
v4: diameter 0.4, hole 0.2, PWR-L6 to BOTTOM, 265 vias
v5: diameter 0.3, hole 0.15, SIGNAL-L3 to BOTTOM, 15 vias
v6: diameter 0.4, hole 0.2, SIGNAL-L8 to BOTTOM, 41 vias
v7: diameter 0.3, hole 0.15, SIGNAL-L8 to BOTTOM, 21 vias
v8: diameter 0.4, hole 0.2, TOP to SIGNAL-L3, 90 vias
v9: diameter 0.3, hole 0.15, TOP to SIGNAL-L3, 171 vias
v10: diameter 0.4, hole 0.2, TOP to SIGNAL-L4, 68 vias
v11: diameter 0.4, hole 0.2, TOP to SIGNAL-L8, 21 vias
v12: diameter 0.4, hole 0.2, SIGNAL-L3 to BOTTOM, 42 vias
v13: diameter 0.3, hole 0.15, TOP to SIGNAL-L7, 129 vias
v14: diameter 0.4, hole 0.2, SIGNAL-L7 to BOTTOM, 30 vias
v15: diameter 0.3, hole 0.15, TOP to SIGNAL-L4, 134 vias
v16: diameter 0.4, hole 0.2, SIGNAL-L4 to BOTTOM, 42 vias
v17: diameter 0.3, hole 0.15, TOP to SIGNAL-L8, 78 vias
v18: diameter 0.4, hole 0.2, TOP to SIGNAL-L7, 12 vias
v19: diameter 0.3, hole 0.15, SIGNAL-L7 to BOTTOM, 34 vias
v20: diameter 0.4, hole 0.2, TOP to BOTTOM, 320 vias
v21: diameter 0.4, hole 0.2, GND-L9 to BOTTOM, 394 vias
v22: diameter 0.3, hole 0.15, TOP to BOTTOM, 1 via
v23: diameter 0.3, hole 0.15, SIGNAL-L4 to BOTTOM, 10 vias
v24: diameter 0.4, hole 0.2, TOP to GND-L2, 379 vias
v25: diameter 0.3, hole 0.15, TOP to GND-L2, 185 vias
v26: diameter 0.4, hole 0.2, TOP to GND-L9, 77 vias
v27: diameter 0.3, hole 0.15, TOP to GND-L9, 4 vias
v28: diameter 0.4, hole 0.2, TOP to GND-L5, 3 vias
v29: diameter 0.3, hole 0.15, TOP to GND-L5, 1 via
v30: diameter 0.4, hole 0.2, GND-L2 to BOTTOM, 27 vias
v31: diameter 0.3, hole 0.15, GND-L9 to BOTTOM, 169 vias

## Routing (per net, layer and track width the routed paths; a pad name or vN(x,y) marks a point on that pad's centre or on a via; arc(x,y) is an arc through that point)
1V2_FPGA:
  vias: v3(38.83,44.12) v3(39.87,44.6) v3(39.89,43.93) v3(40.37,44.25) v3(40.85,44.6) v3(40.84,43.93) v4(37.78,43.27) v4(38.75,43.27) v4(40.38,42.65) v4(42.23,43.05)
